# Altium PCB PCB1.PcbDoc
Units mil, origin at the board's own origin, x right, y up, seen from the top; angles counter-clockwise.
Board outline 5905.51 x 5905.51 mil, 4 copper layers (Top Layer, GND, PWR, Bottom Layer), stack 53.912 mil thick; 58 components, 46 nets, 187 pads, 45 vias.
Unrouted connection lines stored in the file: 20.
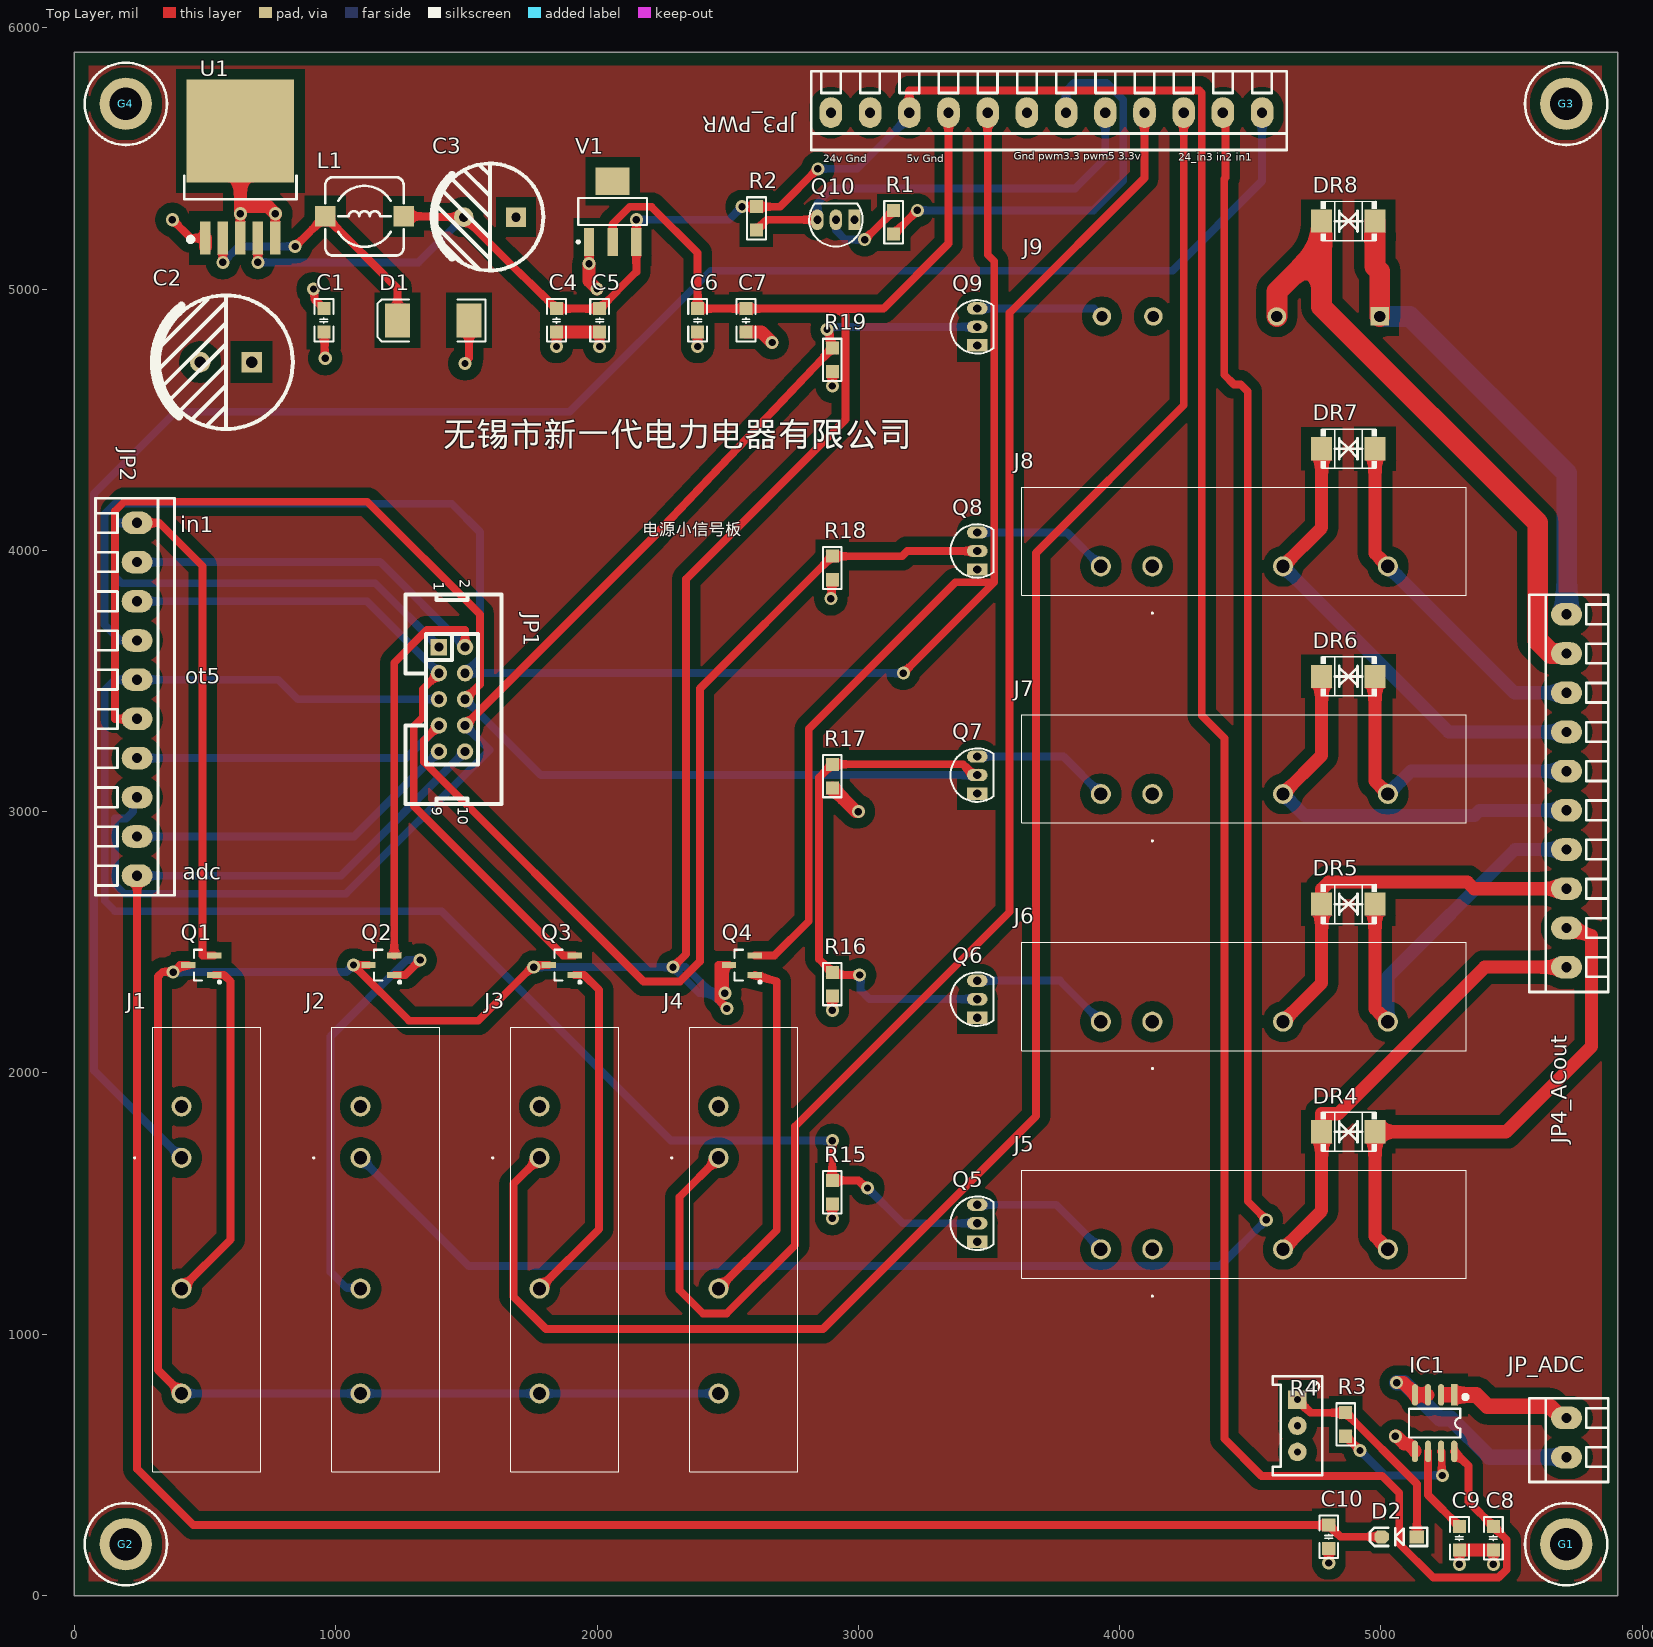
[diagram p0: Top Layer view]
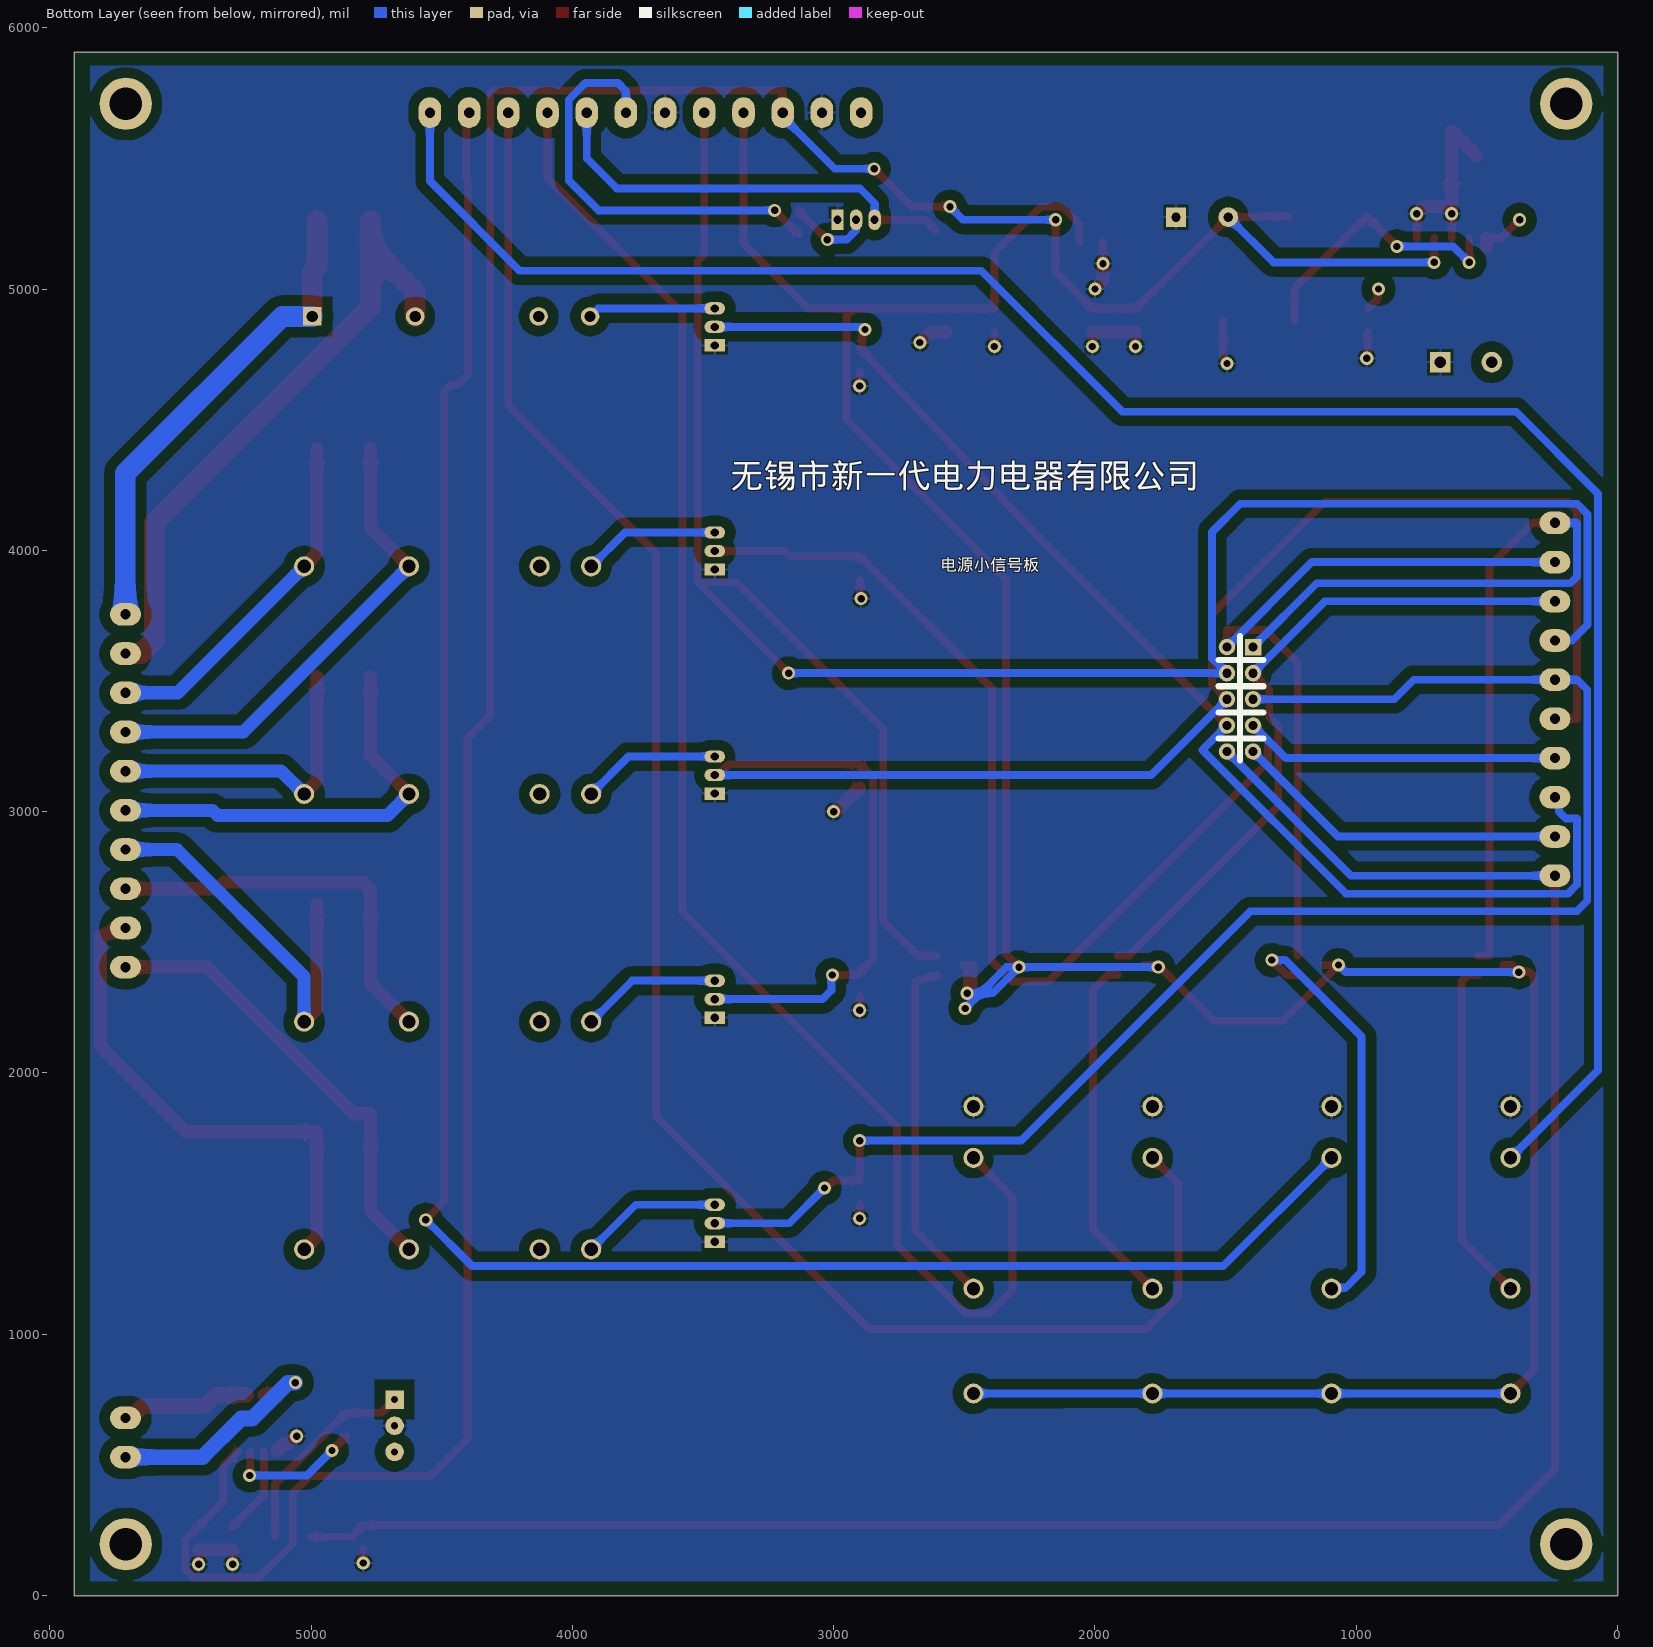
[diagram p1: Bottom Layer view, seen from below]
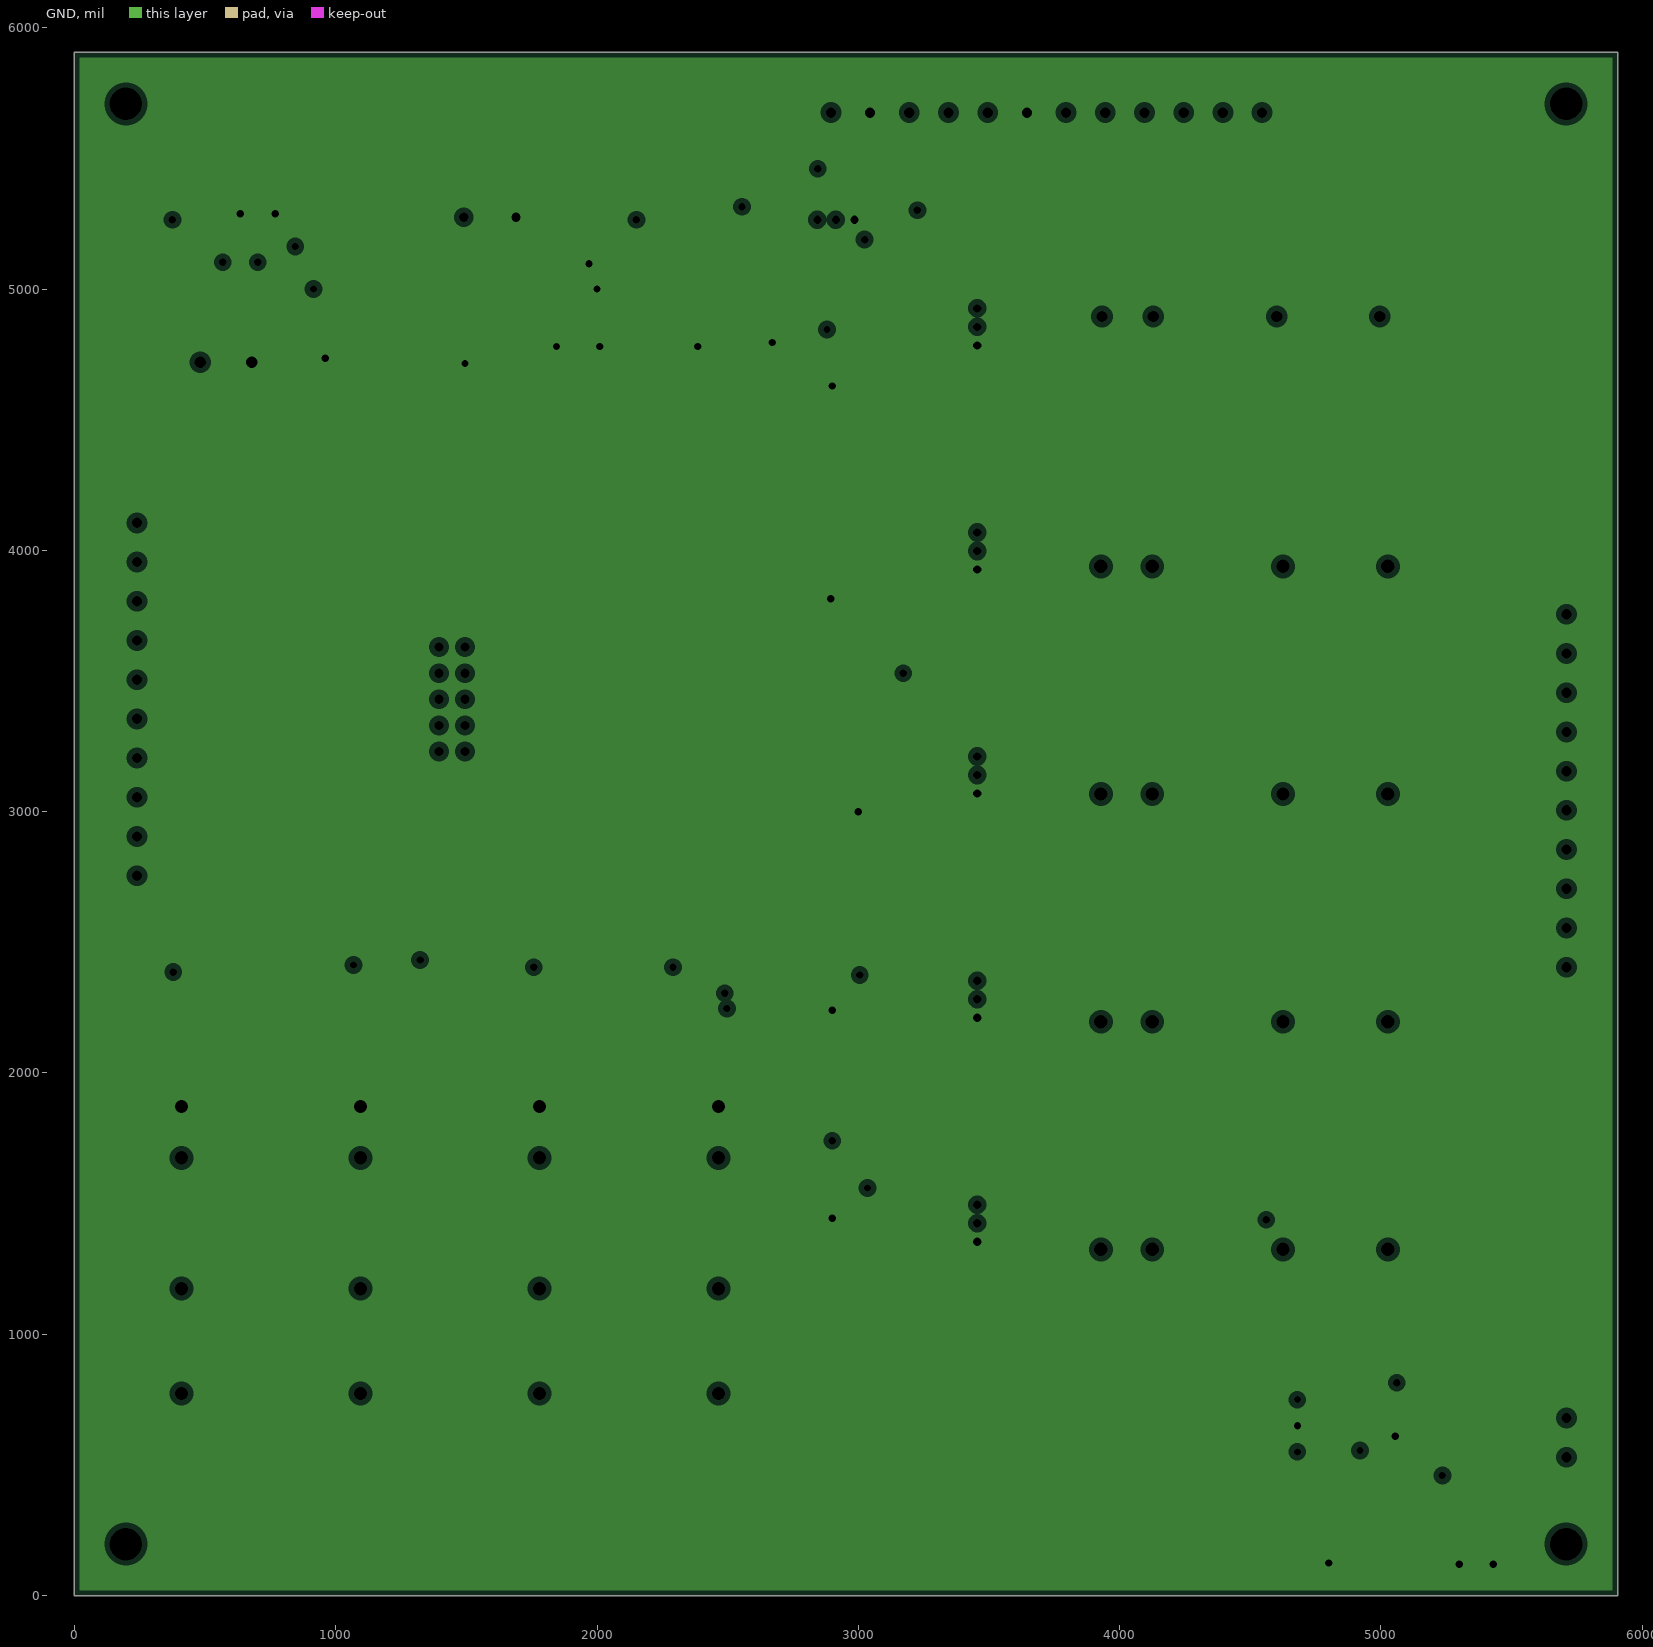
[diagram p2: GND, clearances drawn from the general rule]
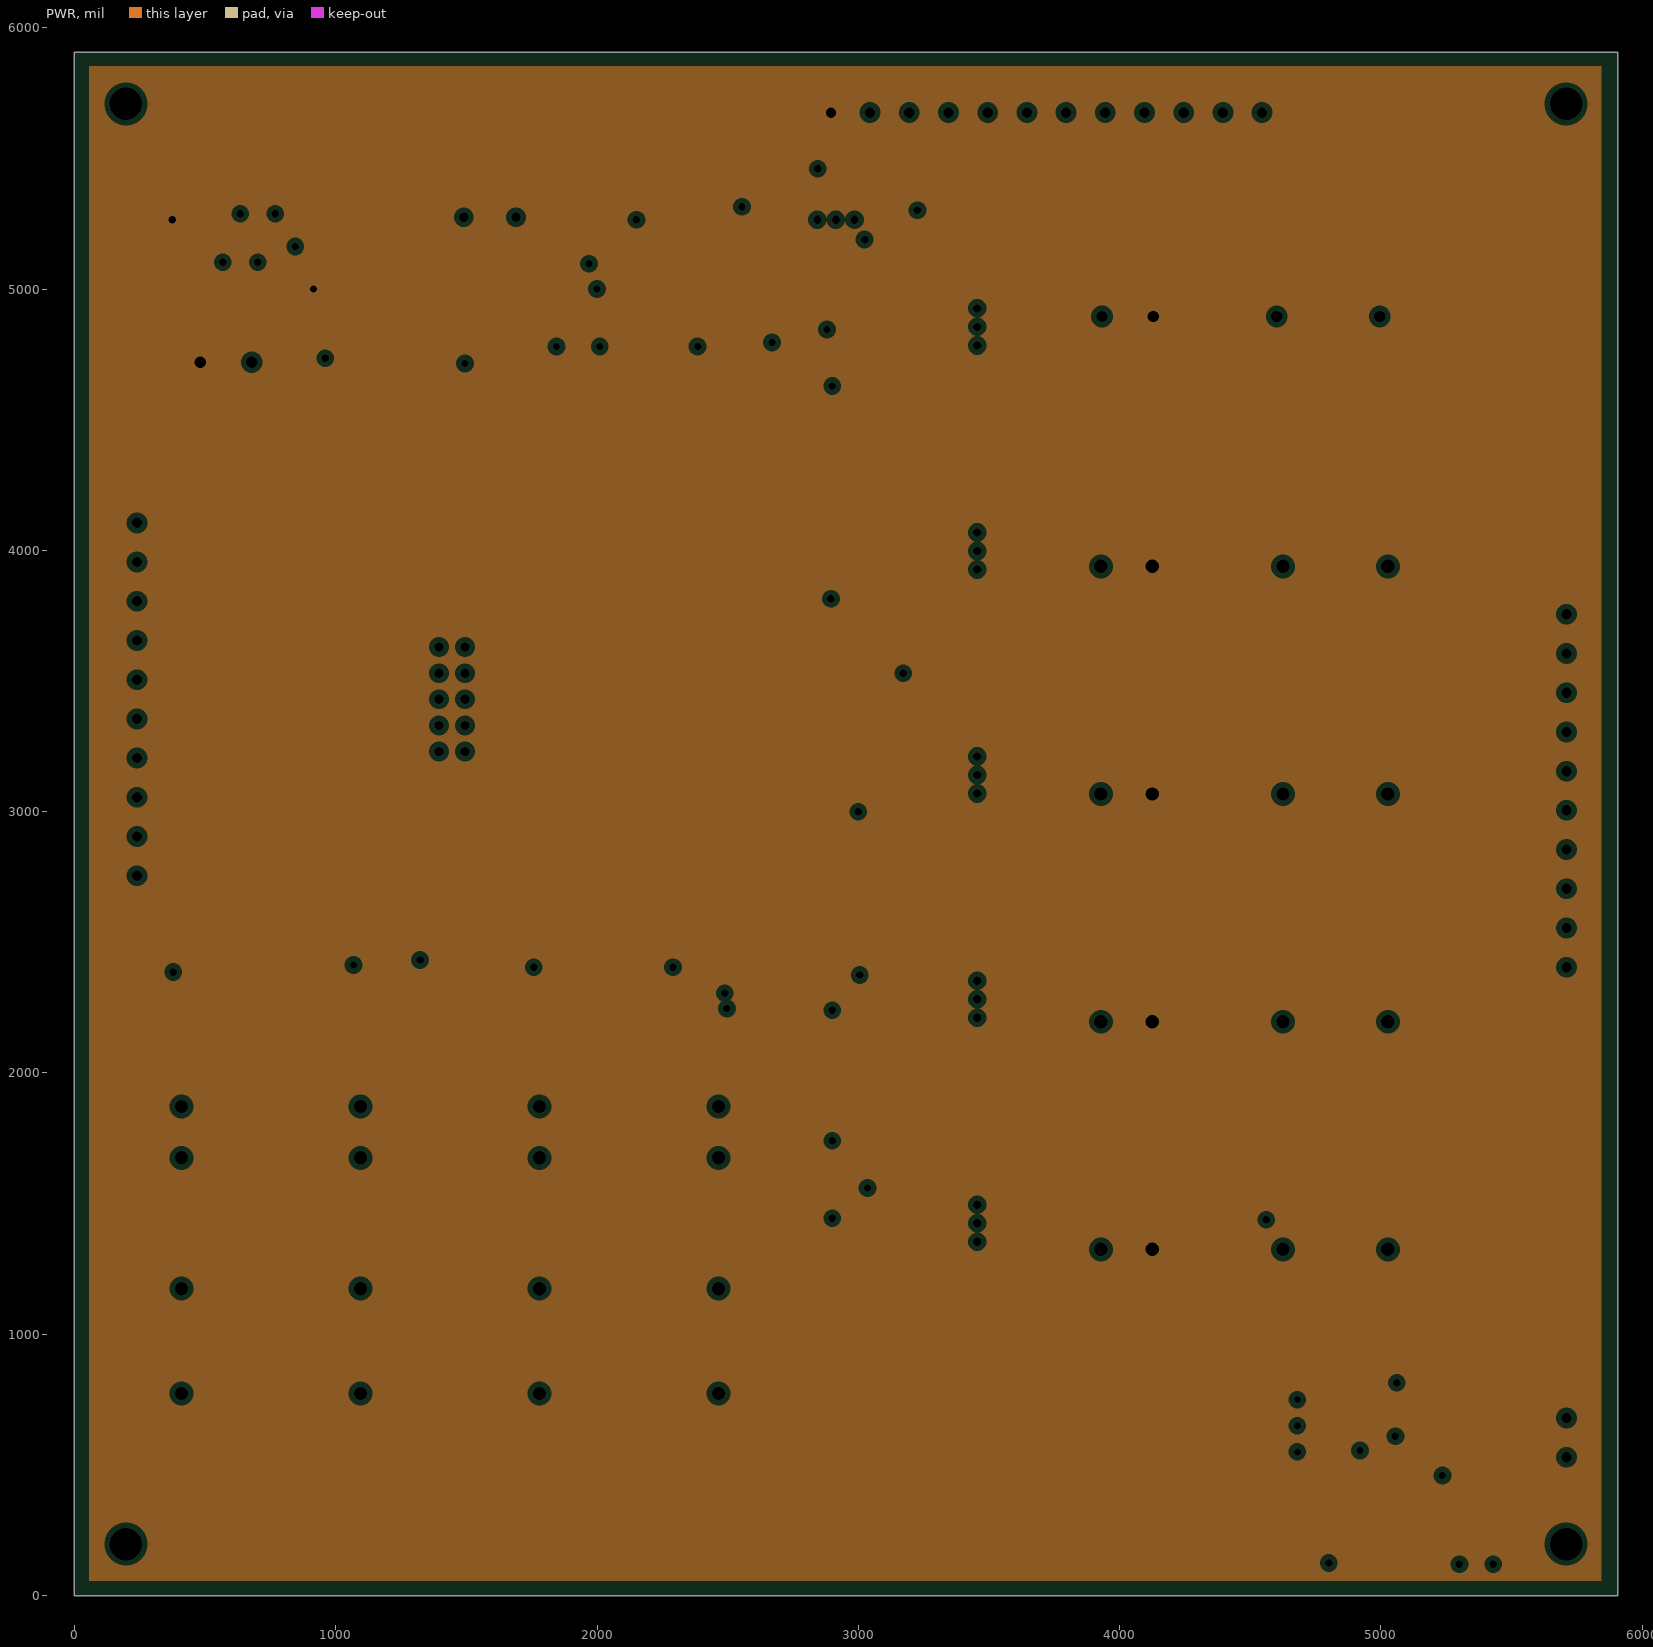
[diagram p3: PWR, clearances drawn from the general rule]

## Layer stack, top to bottom
Top Solder: solder mask 1, SM-001, Dk 4
Top Layer: signal copper 1.378
Dielectric 1: prepreg 5.1, PP-017, Dk 4.3
Dielectric 2: prepreg 5.1, PP-017, Dk 4.3
GND: plane copper 1.378, net GND
Dielectric 3: core 28, Core-039, Dk 4.8
PWR: plane copper 1.378, net 24V
Dielectric 4: prepreg 5.1, PP-017, Dk 4.3
Dielectric 5: prepreg 5.1, PP-017, Dk 4.3
Bottom Layer: signal copper 1.378
Bottom Solder: solder mask 1, SM-001, Dk 4

## Board outline
0,0 0,5905.51 5905.51,5905.51 5905.51,0

## Design rules (kind name [scope] priority, off if disabled: settings)
Clearance Clearance_Polygon [InPolygon] p1: gap=40 ignorepadtopadclearanceinfootprint=FALSE
Clearance [All] p2: gap=10 ignorepadtopadclearanceinfootprint=FALSE except(0: Arc-Hole Track-Hole SMDPad-Hole THPad-Hole Via-Hole Fill-Hole Poly-Hole Region-Hole Text-Hole)
Height [All] p1: minheight=0 maxheight=3149.61 prefheight=500
PlaneClearance [All] p1: clearance=20
PlaneConnect [All] p1: planeconnectstyle=Relief reliefexpansion=20 reliefentries=4 reliefconductorwidth=10 reliefairgap=10
PolygonConnect [All] p1: connectstyle=Relief reliefconductorwidth=10 reliefentries=4 polygonreliefangle="90 Angle" airgapwidth=10
RoutingVias [All] p1: holewidth=28 width=50 viastyle="Through Hole" minholewidth=28 minwidth=50 maxholewidth=28 maxwidth=50
SolderMaskExpansion [All] p1: expansion=4 istentingtop=FALSE
Width [All] p1: maxlimit=90 minlimit=25 preferedwidth=50 minimp=50.000000 maximp=50.000000 favimp=50.000000
27 further rules are at their usual default settings.

## Components (designator, comment, footprint, x,y, rotation, side; value= is the part's Value field where it differs from the comment)
C1 "0.1uF" "C 0805_M" 955,4880 r90 top
C2 "680uf" "CAP 5.0*12.5*20" 580,4720 r180 top
C3 "220uF" "CAP 5.0*10*16" 1590,5275 r180 top
C4 "0.1uF" "C 0805_M" 1845,4880 r90 top
C5 "10uF" "C 0805_M" 2010,4880 r90 top
C6 "10uF" "C 0805_M" 2385,4880 r90 top
C7 "0.1uF" "C 0805_M" 2570,4880 r90 top
C8 "0.1uF" "C 0805_M" 5430,220 r90 top
C9 "1nF" "C 0805_M" 5300,220 r90 top
C10 "0.1uF" "C 0805_M" 4800,225 r90 top
D1 "SS54" SMC 1373.19,4879.84 r180 top
D2 "Diode 1N4148" SOD-123 5070,225 r180 top
DR4 "1.5KE300CA" SMB_L4.6-W3.6-LS5.3-BI 4875,1775 r0 top
DR5 "1.5KE300CA" SMB_L4.6-W3.6-LS5.3-BI 4875,2646.25 r0 top
DR6 "1.5KE300CA" SMB_L4.6-W3.6-LS5.3-BI 4875,3517.5 r0 top
DR7 "1.5KE300CA" SMB_L4.6-W3.6-LS5.3-BI 4875,4388.75 r0 top
DR8 "1.5KE300CA" SMB_L4.6-W3.6-LS5.3-BI 4875,5260 r0 top
G1 "Socket" M3x6_L 5708.66,196.85 r0 top
G2 "Socket" M3x6_L 196.85,196.85 r0 top
G3 "Socket" M3x6_L 5708.66,5708.66 r0 top
G4 "Socket" M3x6_L 196.85,5708.66 r0 top
IC1 "ACS712" SOP8_M 5205,660 r270 top
J1 "ssr_dcdc" 2982647 410,1675 r90 top
J2 "ssr_dcdc" 2982647 1095,1675 r90 top
J3 "ssr_dcdc" 2982647 1780,1675 r90 top
J4 "ssr_dcdc" SSR_DCDC 2465,1675 r90 top
J5 "ssr_dcac" SSR_DCAC 4125,1325 r180 top
J6 "ssr_dcac" SSR_DCAC 4125,2196.25 r180 top
J7 "ssr_dcac" SSR_DCAC 4125,3067.5 r180 top
J8 "ssr_dcac" SSR_DCAC 4125,3938.75 r180 top
J9 "ssr_dcac5A" PMN5A/PMN5D 4463.58,4895 r270 top
JP1 "Header 5X2" IDC2.54-LI-2x5P 1395,3630 r270 top
JP2 "HDR-1X10" KF128-3.81-10P 240,3430 r270 top
JP3_PWR "HDR-1X12" KF128-3.81-12P 3720,5675 r180 top
JP4_ACout "HDR-1X10" KF128-3.81-10P 5710,3080 r90 top
JP_ADC "HDR-1X2" KF128-3.81-2P 5710,605 r90 top
L1 "33uH" CDRH74 1110,5278.01 r0 top
Q1 "SI2304" SOT23-3M 535,2412.6 r90 top
Q2 "SI2304" SOT23-3M 1224.66,2412.6 r90 top
Q3 "SI2304" SOT23-3M 1914.32,2412.6 r90 top
Q4 "SI2304" SOT23-3M 2603.97,2412.6 r90 top
Q5 "SS8050" TO92A 3455,1425 r0 top
Q6 "SS8050" TO92A 3455,2282.5 r0 top
Q7 "SS8050" TO92A 3455,3140 r0 top
Q8 "SS8050" TO92A 3455,3997.5 r0 top
Q9 "SS8050" TO92A 3455,4855 r0 top
Q10 "SS8050" TO92A 2914.13,5265 r90 top
R1 "1K" "R 0805_M" 3135,5255 r90 top
R2 "2K" "R 0805_M" 2610,5270 r90 top
R3 "2K" "R 0805_M" 4865,655 r90 top
R4 "3296W-10K" 3296W 4680,650 r270 top
R15 "10K" "R 0805_M" 2900.32,1543.75 r270 top
R16 "10K" "R 0805_M" 2900.32,2340 r270 top
R17 "10K" "R 0805_M" 2900.32,3136.25 r270 top
R18 "10K" "R 0805_M" 2900.32,3932.5 r270 top
R19 "10K" "R 0805_M" 2900.32,4728.75 r270 top
U1 "LM2596S-5.0/NOPB" TO263-5A 635,5195 r0 top
V1 "AMS1117-3V3" SOT223_M 2060,5296.3 r90 top

## Footprints (in the part's own frame and the unit in brackets; to place one, negate y for a bottom-side part, rotate by r counter-clockwise, add the part's x,y. Pads: shape width x height; smd on the part's side, far side on the other; paste and mask are expansions set on the pad)
3296W [mm] "Precise Multi-Winding Adjustable Resistor"
  rect 1.8x1.8 hole 0.7: 1(-2.54,0)
  round 1.8 hole 0.7: 2(0,0) 3(2.54,0)
  silkscreen extent -4.8,-2.4 4.8,2.4, body extent -4.75,-2.4 4.75,2.4, height 11.52
2982647 [mm]
  round 1.95 hole 1.3: 1(-22.9,0) 2(-12.7,0) 3(0,0) 4(5,0)
  silkscreen extent -30.5,-7.7 12.7,4.6, body extent -30.5,-7.7 12.7,2.8, height 25.5
"C 0805_M" [mil] "无极性贴片电容"
  rect 50x50 smd: 1(-45,0) 2(45,0)
  silkscreen extent -81,-36 81,36, body extent -39,-24 39,24, height 20
"CAP 5.0*10*16" [mm] "脚距5mm直径10mm高度16mm"
  rect 1.9x1.9 hole 0.9: 1(-2.54,0)
  round 1.9 hole 0.9: 2(2.54,0)
  silkscreen extent -5.19,-5.21 5.5,5.19, body extent -5,-5 5.01,5, height 16.04
"CAP 5.0*12.5*20" [mm] "脚距5mm直径12.5mm高度20mm"
  rect 2x2 hole 1.1: 1(-2.5,0)
  round 2 hole 1.1: 2(2.5,0)
  silkscreen extent -6.5,-6.5 6.99,6.5, body extent -6.25,-6.25 6.26,6.25, height 20.03
CDRH74 [mm] "7.3*7.3*4.5mm（长宽高）"
  rect 2x2 smd: 1(-3.81,0) 2(3.81,0)
  silkscreen extent -3.81,-3.81 3.81,3.81, body extent -3.65,-3.65 3.65,3.65, height 4.5
IDC2.54-LI-2x5P [mm] "10P简易牛角座"
  rect 1.6x1.6 hole 0.9: 1(0,0)
  round 1.6 hole 0.9: 2(0,2.54) 3(2.54,0) 4(2.54,2.54) 5(5.08,0) 6(5.08,2.54) 7(7.62,0) 8(7.62,2.54) 9(10.16,0) 10(10.16,2.54)
  silkscreen extent -5.11,-3.23 15.27,6.1, body extent -5.08,-3.08 15.24,5.77, height 9.17
KF128-3.81-2P [mm] "螺钉式接线端子，脚距3.81mm"
  oval 2.2x3 hole 1: 1(-1.905,0) 2(1.905,0)
  silkscreen extent -4.32,-4.04 3.81,3.63, body extent -4.31,-3.9 3.81,3.5, height 8.55
KF128-3.81-10P [mm] "螺钉式接线端子，脚距3.81mm"
  oval 2.2x3 hole 1: 1(-17.145,0) 2(-13.335,0) 3(-9.525,0) 4(-5.715,0) 5(-1.905,0) 6(1.905,0) 7(5.715,0) 8(9.525,0) 9(13.335,0) 10(17.145,0)
  silkscreen extent -19.56,-4.04 19.05,3.63, body extent -19.55,-3.9 19.05,3.5, height 8.55
KF128-3.81-12P [mm] "螺钉式接线端子，脚距3.81mm"
  oval 2.2x3 hole 1: 1(-20.955,0) 2(-17.145,0) 3(-13.335,0) 4(-9.525,0) 5(-5.715,0) 6(-1.905,0) 7(1.905,0) 8(5.715,0) 9(9.525,0) 10(13.335,0) 11(17.145,0) 12(20.955,0)
  silkscreen extent -23.37,-4.04 22.86,3.63, body extent -23.36,-3.9 22.86,3.5, height 8.55
M3x6_L [mil] "M3铜柱，长：6mm"
  round 200 hole 125: 1(0,0)
  silkscreen extent -157,-157 157,157, body extent -106,-93 106,93, height 238
PMN5A/PMN5D [mm]
  rect 1.8x1.8 hole 1.1: 1(0,13.5)
  round 1.8 hole 1.1: 2(0,3.5) 3(0,-8.5) 4(0,-13.5)
  body extent -5.22,-21.44 5.33,22.31, height 25.5
"R 0805_M" [mil] "1/8W贴片电阻"
  rect 50x50 smd: 1(-45,0) 2(45,0)
  silkscreen extent -81,-36 81,36, body extent -39,-25 39,25, height 20
SMB_L4.6-W3.6-LS5.3-BI [mil]
  rect 80.61x88.23 smd: 1(-102.02,0) 2(102.02,0)
  silkscreen extent -105,-75 108,75
SMC [mm] "DO-214-AB/SMC; 2 C-Bend Leads; Body 7.9 x 5.9 mm, inc. leads (LxW)"
  rect 2.4x3.3 smd: 1(-3.475,0) 2(3.475,0)
  silkscreen extent -5.07,-2.05 5.43,2.06
SOD-123 [mil] "2.7x1.6X1.1mm（长宽高，不包括引脚）"
  rect 55x50 smd: 1(-67.5,0)
  oct 55x50 smd: 2(67.5,0)
  silkscreen extent -107,-35 112,35, body extent -73,-31 73,31, height 48
SOP8_M [mm] "5*6*1.8mm（长宽高）"
  rect 2.1x0.6 smd: 1(-2.75,1.905)
  oval 2.1x0.6 smd: 2(-2.75,0.635) 3(-2.75,-0.635) 4(-2.75,-1.905) 5(2.75,-1.905) 6(2.75,-0.635) 7(2.75,0.635) 8(2.75,1.905)
  silkscreen extent -2.69,-2.5 1.4,3.15, body extent -3,-2.5 3,2.5, height 1.9
SOT23-3M [mm] "3x1.3x1mm(长宽高)"
  rect 0.6x1.4 smd: 1(-0.95,0) 2(0.95,0) 3(0,2.514)
  silkscreen extent -1.78,-0.63 1.5,1.97, body extent -1.5,0.07 1.5,2.47, height 1.05
SOT223_M [mm] "SOT223, 4-Leads, Body 6.5x3.5mm, Pitch 2.3mm, Lead Span 7mm, IPC Low Density"
  rect 2.7x1 smd: 1(-2.95,2.3) 2(-2.95,0) 3(-2.95,-2.3)
  rect 2.7x3.3 smd: 4(2.95,0)
  silkscreen extent -3.07,-3.35 1.3,3.47, body extent -1.85,-3.35 1.85,3.35, height 1.7
SSR_DCAC [mm]
  round 1.95 hole 1.3: 1(-22.9,0) 2(-12.7,0) 3(0,0) 4(5,0)
  silkscreen extent -30.5,-7.7 12.7,4.6, body extent -30.5,-7.7 12.7,2.8, height 25.5
SSR_DCDC [mm]
  round 1.95 hole 1.3: 1(-22.9,0) 2(-12.7,0) 3(0,0) 4(5,0)
  silkscreen extent -30.5,-7.7 12.7,4.6, body extent -30.5,-7.7 12.7,2.8, height 25.5
TO92A [mm] "92晶体管"
  rect 2x1.2 hole 0.8: 1(0,-1.8)
  oval 2x1.2 hole 0.8: 2(0,0) 3(0,1.8)
  silkscreen extent -2.6,-2.6 1.6,2.6, body extent -2.3,-2.3 1.3,2.3, height 7.6
TO263-5A [mm] "263，5脚晶体管"
  rect 1.05x3.2 smd: 1(-3.4,0) 2(-1.7,0) 3(0,0) 4(1.7,0) 5(3.4,0)
  rect 10.45x10 smd: 3(0,10.414)
  silkscreen extent -5.46,-0.33 5.46,6.04, body extent -5,-0.01 5,13.32, height 4.5

## Part data
C1 C4 C5 C6 C7: library part CAP-SMT
C2 C3: library part CAP-SMD, "CAP-SMD", Supplier 1="Arrow Electronics"
C8 C9 C10: library part Cap, "Capacitor", LatestRevisionDate=17-Jul-2002, LatestRevisionNote="Re-released for DXP Platform.", PackageDescription="Radial Cap, Thru-Hole; 2 Leads; 0.3 in Pin Spacing", PackageReference=RAD-0.3, Published=8-Jun-2000, Publisher="Altium Limited"
D1: library part DIO
D2: "High Conductance Fast Diode", Code_JEDEC=DO-204-AH, ComponentLink1Description="Manufacturer Link", ComponentLink1URL=http://www.fairchildsemi.com/, ComponentLink2Description=Datasheet, ComponentLink2URL=http://www.fairchildsemi.com/ds/1N%2F1N4148.pdf, DatasheetVersion=1997, LatestRevisionDate=17-Jul-2002, LatestRevisionNote="Re-released for DXP Platform.", PackageDescription="Diode, Axial; Body 3.8 x 1.9 mm (LxDia. max), Lead Dia. 0.53 mm (max)", PackageReference=DO-35, Published=8-Jun-2000, Publisher="Altium Limited"
DR4 DR5 DR6 DR7 DR8: library part DR, "瞬态电压抑制二极管", BOM名称=瞬态电压抑制二极管, 学习资源=www.ooocke.com, 版权归属=源创客
IC1: "电流检测芯片", BOM名称=电流检测芯片, 学习资源=www.ooocke.com, 版权归属=源创客
J1 J2 J3 J4 J5 J6 J7 J8: "Connector", Arrow Part Number=2982647, Manufacturer_Name="Phoenix Contact", Mouser Part Number=651-2982647, Arrow Price/Stock=https://www.arrow.com/en/products/2982647/phoenix-contact, Datasheet Link=https://componentsearchengine.com/Datasheets/1/2982647.pdf, Height=25.4mm, Manufacturer_Part_Number=2982647, Mouser Price/Stock=https://www.mouser.co.uk/ProductDetail/Phoenix-Contact/2982647?qs=Mj9TL1%2FHg907%2FKjSTtcRdw%3D%3D
J9: library part ssr_dcac, "Connector", Arrow Part Number=2982647, Manufacturer_Name="Phoenix Contact", Mouser Part Number=651-2982647, Arrow Price/Stock=https://www.arrow.com/en/products/2982647/phoenix-contact, Datasheet Link=https://componentsearchengine.com/Datasheets/1/2982647.pdf, Height=25.4mm, Manufacturer_Part_Number=2982647, Mouser Price/Stock=https://www.mouser.co.uk/ProductDetail/Phoenix-Contact/2982647?qs=Mj9TL1%2FHg907%2FKjSTtcRdw%3D%3D
JP1: "5*2P接插件", BOM名称=5*2P接插件, 学习资源=www.ooocke.com, 版权归属=源创客
JP2 JP4_ACout: library part "Header 10", "10P接插件", BOM名称=10P接插件, 学习资源=www.ooocke.com, 版权归属=源创客
JP3_PWR: library part "Header 12", "12P接插件", BOM名称=12P接插件, 学习资源=www.ooocke.com, 版权归属=源创客
JP_ADC: library part "Header 2", "2P接插件", BOM名称=2P接插件, 学习资源=www.ooocke.com, 版权归属=源创客
L1: library part L-CDRH74
Q1 Q2 Q3 Q4: library part SI2302, "N沟道场效应管", BOM名称=N沟道场效应管, 学习资源=www.ooocke.com, 版权归属=源创客
Q5 Q6 Q7 Q8 Q9 Q10: library part 8050-DIP, "高频放大-NPN型", BOM名称=高频放大-NPN型, 学习资源=www.ooocke.com, 属性="40V 1.5A 1W 100MHZ", 版权归属=源创客
R1 R2 R3 R15 R16 R17 R18 R19: library part Res1, "Resistor", LatestRevisionDate=17-Jul-2002, LatestRevisionNote="Re-released for DXP Platform.", PackageDescription="Axial Device, Thru-Hole; 2 Leads; 0.3 in Pin Spacing", PackageReference=AXIAL-0.3, Published=8-Jun-2000, Publisher="Altium Limited"
R4: library part 3296W-1-100LF, "Resistor", Manufacturer_Name=Bourns, Mouser Part Number=652-3296W-1-100LF, Arrow Part Number=3296W-1-100LF, Arrow Price/Stock=https://www.arrow.com/en/products/3296w-1-100lf/bourns, Datasheet Link=http://uk.rs-online.com/web/p/products/5219619, Manufacturer_Part_Number=3296W-1-100LF, Mouser Price/Stock=https://www.mouser.co.uk/ProductDetail/Bourns/3296W-1-100LF?qs=QXsCy0sQn1AEVjRqsT9BNA%3D%3D
U1: library part LM2596S-5.0, "SIMPLE SWITCHER® Power Converter 150 KHz 3A Step-Down Voltage Regulator, 5-pin TO-263, Pb-Free", Manufacturer="Texas Instruments", PackageTopMarking="NSUZXYTTE#*LM2596S*-5.0 P+", PowerWise=N, Code_JEDEC=MO-169-AB, ComponentLink1Description="Datasheet URL", ComponentLink1URL=http://www.ti.com/general/docs/lit/getliterature.tsp?genericPartNumber=LM2596&fileType=pdf, CompType=Switcher, PackageDescription="TO-263, Molded, .400 x .390 x .180in, 5 Lead, .067in Pitch, Surface Mount", PackageReference=KTT0005B, PinCount=5, RoHS=Y
V1: library part AMS1117, "三端稳压芯片", BOM名称=稳压芯片, 学习资源=www.ooocke.com, 版权归属=源创客
G1 G2 G3 G4: LatestRevisionDate=17-Jul-2002, LatestRevisionNote="Re-released for DXP Platform.", Publisher="Altium Limited"

## Via types
v1: diameter 50, hole 28, Top Layer to Bottom Layer, 45 vias

## Nets (pads, with @x,y where several pads share a name; then routed paths per layer and width w, separated by ;. In a path a pad name is that pad's centre, name@x,y a point inside that pad or via, vN(x,y) a via of type N, cw(c..) or ccw(c..) an arc to the next point about the centre after c; other vN are vias at no path point)
3.3V: C6.2 C7.2 J1.1 J2.1 J3.1 J4.1 JP3_PWR.9 Q1.3 Q2.3 Q3.3 Q4.3 V1.2 | length 12009
  Top Layer w30: v1@375.2,2392.59 369.7,2387.09 337.92,2387.09 320,2369.17 320,863.43 J1.1 ; v1(378,2386) v1@391.5,2399.5 ; v1(1068,2413) v1@1068.4,2412.6 ; Q2.3 v1@1068.4,2412.6 ; v1(1758,2405) v1@1765.6,2412.6 ; Q3.3 v1@1765.6,2412.6 ; V1.2 2060,5250 2125,5315 2208,5315 2385,5138 C6.2 C7.2 2925,4925 ; v1(2291,2405) 2341,2455 2341,3890 2951,4500 2951,4899 2925,4925 ; v1(2489.13,2305) Q4.3@2489.13,2412.6 ; v1(2497,2247) 2464.3,2279.7 2464.3,2412.6 Q4.3@2489.13,2412.6 ; Q4.3 Q4.3@2489.13,2412.6 ; JP3_PWR.9 3345,5174.01 3095.99,4925 2925,4925 ; v1@391.5,2399.5 404.6,2412.6 Q1.3 v1@391.5,2399.5 ; v1@1068.4,2412.6 1281,2200 1545.8,2200 1758.4,2412.6 v1@1765.6,2412.6
  Bottom Layer w30: v1(378,2386) 1041,2386 v1(1068,2413) ; J1.1 J2.1 J3.1 2122,773.43 ; v1(1758,2405) v1(2291,2405) ; 2122,773.43 J4.1 ; v1(2489.13,2305) 2439,2305 ; v1(2497,2247) 2439,2305 ; v1(2291,2405) 2339,2405 2439,2305 ; v1(2291,2405) 2391,2305 2439,2305
5V: C3.2 C4.2 C5.2 C8.2 IC1.8 JP3_PWR.10 L1.2 R2.2 U1.4 V1.3 | length 11825.4
  Top Layer w30: U1.4 701.93,5102.07 v1(702,5102) ; L1.2 1373,5278.01 1376,5275 C3.2 1677.99,5087.01 C4.2 C5.2 2150.55,5065.55 V1.3 v1(2150.55,5265) ; v1(2554.99,5315) 2700,5315 v1(2845,5460) ; JP3_PWR.10 3195,5760.01 4305,5760.01 4314,5751 4314,3368 4401,3281 4401,600 4543,458 5005,458 5070,393 5070,199 5200,69 5450,69 5481,100 5481,214 C8.2 5335,360 5335,496.73 IC1.8
  Bottom Layer w30: v1(702,5102) 1317,5102 C3.2 ; v1(2150.55,5265) 2505,5265 v1(2554.99,5315) ; v1(2845,5460) 2995.75,5460 3195,5659.25 JP3_PWR.10
24V: C1.2 C2.2 J5.3 J6.3 J7.3 J8.3 J9.3 JP3_PWR.12 U1.1 | length 280.4
  Top Layer w30: v1(375,5265) 445,5195 U1.1 ; v1(915,5000) 918.83,4996.17 918.83,4961.17 C1.2
  Top Layer w50: U1.1@501.14,5161.34 U1.1
24V_in1: J1.3 JP3_PWR.1 | length 7908
  Bottom Layer w30: J1.3 75,2010.01 75,4216.75 388.26,4530 1895,4530 2435,5070 4202,5070 4545,5413 JP3_PWR.1
24V_in2: J2.3 JP3_PWR.2 | length 8035.7
  Top Layer w30: JP3_PWR.2 4405,5665 4405,5426.06 4400.19,5421.26 4400.19,4671.89 4437.32,4634.76 4463.24,4634.76 4490,4608 4490,1509 v1(4561,1438)
  Bottom Layer w30: J2.3 1509,1261 4384,1261 v1(4561,1438)
24V_in3: J3.3 JP3_PWR.3 | length 7034.8
  Top Layer w30: J3.3 1680,1575 1680,1145 1805,1020 2864.99,1020 3680,1835 3680,3990 4245,4555.01 JP3_PWR.3
24V_in4: J4.3 JP3_PWR.4 | length 6043
  Top Layer w30: J4.3 2315,1525 2315,1170 2405,1080 2496.38,1080 2758,1341.62 2758,1796 3579,2617 3579,4909 4095,5425.01 JP3_PWR.4
AC_out1: DR4.1 J5.2 JP4_ACout.1 | length 1749.7
  Top Layer w50: J5.2 4772.98,1472.98 DR4.1 4772.98,1844 4836,1844 5397,2405 JP4_ACout.1
AC_out1x: DR4.2 J5.1 JP4_ACout.2 | length 1957.2
  Top Layer w50: J5.1 4977.02,1374.55 DR4.2 5478.99,1775 5805,2101 5805,2525 JP4_ACout.2
AC_out2: DR5.1 J6.2 JP4_ACout.3 | length 1526.6
  Top Layer w50: J6.2 4772.98,2344.23 DR5.1 4772.98,2702.99 4800,2730 5331,2730 5356,2705 JP4_ACout.3
AC_out2x: DR5.2 J6.1 JP4_ACout.4 | length 1527.8
  Top Layer w50: DR5.2 4977.02,2245.8 J6.1
  Bottom Layer w50: J6.1 5026.57,2368.57 5513,2855 JP4_ACout.4
AC_out3: DR6.1 J7.2 JP4_ACout.5 | length 1637.9
  Top Layer w50: J7.2 4772.98,3215.49 DR6.1
  Bottom Layer w50: J7.2 4706.49,2986 5358,2986 5376.99,3005 JP4_ACout.5
AC_out3x: DR6.2 J7.1 JP4_ACout.6 | length 1190.2
  Top Layer w50: DR6.2 4977.02,3117.05 J7.1
  Bottom Layer w50: J7.1 5114.07,3155 JP4_ACout.6
AC_out4: DR7.1 J8.2 JP4_ACout.7 | length 1858.8
  Top Layer w50: J8.2 4772.98,4086.74 DR7.1
  Bottom Layer w50: J8.2 5258.75,3305 JP4_ACout.7
AC_out4x: DR7.2 J8.1 JP4_ACout.8 | length 1354.3
  Top Layer w50: DR7.2 4977.02,3988.3 J8.1
  Bottom Layer w50: J8.1 5510.32,3455 JP4_ACout.8
AC_out5: DR8.1 J9.2 JP4_ACout.9 | length 2417
  Top Layer w80: J9.2 4601.37,4991 4772.98,5162.61 ; DR8.1 4772.98,5162.61 ; JP4_ACout.9 5650,3605 5600,3655 5600,4105 4772.98,4932.02 4772.98,5162.61
AC_out5x: DR8.2 J9.1 JP4_ACout.10 | length 1877.3
  Top Layer w80: DR8.2 4977.02,5086.06 4995.07,5068 J9.1
  Bottom Layer w80: J9.1 5110,4895 5711,4294 5711,3755 JP4_ACout.10
GND: C1.1 C2.1 C3.1 C4.1 C5.1 C6.1 C7.1 C8.1 C9.1 C10.1 D1.1 IC1.5 J1.4 J2.4 J3.4 J4.4 JP3_PWR.7 JP3_PWR.11 Q5.1 Q6.1 Q7.1 Q8.1 Q9.1 Q10.1 R4.2 R15.2 R16.2 R17.2 R18.2 R19.2 U1.3 U1.5 V1.1 | length 2441.6
  Top Layer w30: U1.3@635,5195 v1(635,5287.99) ; U1.5 v1(768.86,5287.99) ; C1.1 957.5,4832.5 957.5,4737.5 v1(960,4735) ; v1(1495,4715) 1495,4720.41 1510,4735.41 D1.1 ; v1(1845,4780) C4.1 ; v1(1969.45,5097.01) V1.1 ; v1(2010,4780) C5.1 ; v1(2385,4780) C6.1 ; v1(2895,3815) 2897.66,3817.66 2897.66,3884.84 R18.2 ; v1(2900.32,1443.75) R15.2 ; v1(2900.32,2240) R16.2 ; v1(2900.32,4628.75) R19.2 ; v1(4800,125) C10.1 ; v1(5300,120) C9.1 ; v1(5430,120) C8.1
  Top Layer w50: U1.3@539.57,5509.57 635,5605 v1(635,5287.99) ; 662.01,5315 741.85,5315 v1(768.86,5287.99) ; C4.1 C5.1 ; v1(1969.45,5097.01) 1969.45,5030.55 v1(2000,5000) ; C7.1 2630,4835 v1(2670,4795) ; R17.2 2991.56,3000 v1(3000,3000) ; v1(5055,610) 5060,610 5088.74,581.26 5103.62,581.26 5130,554.88 IC1.5 ; C9.1 C8.1
GPIO_adc10: C10.2 D2.2 JP1.10 JP2.10 | length 8591.9
  Top Layer w30: JP2.10 240,485 455,270 4745,270 C10.2 4845,225 D2.2
  Bottom Layer w30: JP2.10 1020,2755 JP1.10
GPIO_in1: JP1.1 JP2.1 Q1.2 | length 3494.8
  Top Layer w30: JP2.1 325,4105 490.74,3939.26 490.74,2450 Q1.2
  Bottom Layer w30: JP2.1 155,4105 155,3900 181,3874 1151,3874 JP1.1
GPIO_in2: JP1.2 JP2.2 Q2.2 | length 2898.1
  Top Layer w30: Q2.2 1224,2450 1224,3570 1349,3695 1495,3695 JP1.2
  Bottom Layer w30: JP2.2 1170,3955 JP1.2
GPIO_in3: JP1.3 JP2.3 Q3.2 | length 2669.9
  Top Layer w30: JP1.3 1333.09,3468.09 1333.09,3361.08 1298.5,3326.49 1298.5,3021.55 1870.06,2450 Q3.2
  Bottom Layer w30: JP2.3 1120,3805 JP1.3
GPIO_in4: JP1.4 JP2.4 JP3_PWR.8 Q4.2 | length 8549.4
  Top Layer w30: Q4.2 2679,2450 2810,2581 2810,3316 3372,3878 3520,3878 ; v1(3171.99,3530) 3520,3878 ; JP3_PWR.8 3495,5131 3520,5106 3520,3878
  Bottom Layer w30: JP2.4 175,3655 115,3715 115,4138 155,4178 1444,4178 1552,4070 1552,3587 JP1.4 v1(3171.99,3530)
GPIO_ot5: JP1.5 JP2.5 Q5.2 R15.1 | length 6072.6
  Top Layer w30: v1(2900.32,1741) R15.1 3000.84,1588.75 3029.59,1560 v1(3035,1560)
  Bottom Layer w30: JP1.5 855,3430 780,3505 JP2.5 155,3505 115.94,3465.95 115.94,2659 155.94,2619 1405,2619 2283,1741 v1(2900.32,1741) ; v1(3035,1560) 3170,1425 Q5.2
GPIO_ot6: JP1.6 JP2.6 Q6.2 Q7.2 R16.1 R17.1 | length 6938.2
  Top Layer w30: JP2.6 155,3355 155,4150 191,4186 1121,4186 1552,3755 1552,3487 JP1.6 ; v1(3005,2375) 2910.32,2375 2850,2435.32 2850,3130.93 R17.1 3400.1,3181.25 3441.35,3140 Q7.2
  Bottom Layer w30: JP1.6 1785,3140 Q7.2 ; v1(3005,2375) 3008.83,2371.17 3008.83,2316.17 3042.5,2282.5 Q6.2
GPIO_ot7: JP1.7 JP2.7 Q8.2 R18.1 | length 5129
  Top Layer w30: JP1.7 1338.5,3273.5 1338.5,3189.5 2178,2350 2317,2350 2394,2427 2394,3471.18 R18.1 3167,3977.5 3187,3997.5 Q8.2
  Bottom Layer w30: JP2.7 1270,3205 JP1.7
GPIO_ot8: JP1.8 JP2.8 Q9.2 R19.1 | length 4885
  Top Layer w30: JP1.8 2216,4051 R19.1 2890.32,4783.75 2890.32,4829.27 2880,4839.59 v1(2880,4845)
  Bottom Layer w30: JP2.8 224,3055 224,3000 197.3,2973.31 155.94,2973.31 155.94,2720.06 190,2686 1038.99,2686 1588.99,3236.01 JP1.8 ; v1(2880,4845) 2885.41,4845 2895.41,4855 Q9.2
GPIO_ot9: JP1.9 JP2.9 | length 1289.6
  Bottom Layer w30: JP2.9 1070,2905 JP1.9
NetC9_2: C9.2 IC1.6 | length 336.4
  Top Layer w30: IC1.6 5180,385 C9.2
NetD1_2: D1.2 L1.1 U1.2 | length 1070.6
  Top Layer w30: v1(568,5102) 568.07,5102.08 U1.2 ; v1(845,5163) L1.1 1236.38,5001.63 D1.2
  Bottom Layer w30: v1(568,5102) 629,5163 v1(845,5163)
NetD2_1: D2.1 R3.2 R4.1 | length 793.6
  Top Layer w30: R4.1 4730,700 R3.2 5137.5,427.5 D2.1
NetIC1_1: IC1.1 IC1.2 JP_ADC.2 | length 498.4
  Top Layer w60: 5248.19,768.27 IC1.1 5280.56,767.71 5364.85,767.71 5407.56,725 5645.8,725 5690.8,680 JP_ADC.2
NetIC1_3: IC1.3 IC1.4 JP_ADC.1 | length 909.3
  Top Layer w50: v1(5060,815) 5086.42,815 5130,771.42 IC1.4 IC1.3
  Bottom Layer w60: v1(5060,815) 5088,815 5225,678 5267,678 5415,530 JP_ADC.1
NetIC1_7: IC1.7 R3.1 | length 525.9
  Top Layer w30: R3.1 v1(4920,555) ; IC1.7 5232.5,549.23 5232.5,462.5 v1(5235,460)
  Bottom Layer w30: v1(4920,555) 5015,460 v1(5235,460)
NetJ1_2: J1.2 Q1.1 | length 1326.3
  Top Layer w30: J1.2 598,1363 598,2350 572.81,2375.2 Q1.1
NetJ2_2: J2.2 Q2.1 | length 1628.3
  Top Layer w30: Q2.1 1266.19,2375.2 v1(1323,2432)
  Bottom Layer w30: J2.2 1091.64,1178.36 1040.44,1178.36 980,1238.8 980,2139.8 1272.21,2432 v1(1323,2432)
NetJ3_2: J3.2 Q3.1 | length 1354.3
  Top Layer w30: J3.2 2008,1403 2008,2317.2 1950,2375.2 Q3.1
NetJ4_2: J4.2 Q4.1 | length 1355.1
  Top Layer w30: J4.2 2688,1398 2688,2350 Q4.1
NetJ5_4: J5.4 Q5.3 | length 543.9
  Bottom Layer w30: Q5.3 3757.28,1495.87 J5.4
NetJ6_4: J6.4 Q6.3 | length 538.2
  Bottom Layer w30: Q6.3 3771.03,2353.37 J6.4
NetJ7_4: J7.4 Q7.3 | length 532.5
  Bottom Layer w30: Q7.3 3784.78,3210.87 J7.4
NetJ8_4: J8.4 Q8.3 | length 526.8
  Bottom Layer w30: Q8.3 3798.53,4068.37 J8.4
NetJ9_4: J9.4 Q9.3 | length 489.9
  Bottom Layer w30: Q9.3 3901.22,4925.87 J9.4
NetQ10_2: Q10.2 R1.2 | length 321.8
  Top Layer w30: v1(3024,5189) R1.2
  Bottom Layer w30: Q10.2 2914.13,5224.87 2950,5189 v1(3024,5189)
pwm_speed: JP3_PWR.6 R1.1 | length 1613.9
  Top Layer w30: R1.1 v1(3226,5301)
  Bottom Layer w30: v1(3226,5301) 3900,5301 4014,5415 4014,5724 3950,5788 3825,5788 3795,5758.01 JP3_PWR.6
pwm_speed_5V: JP3_PWR.5 Q10.3 R2.1 | length 1661
  Top Layer w30: R2.1 2650,5265 Q10.3
  Bottom Layer w30: Q10.3 2843.27,5328.27 2900,5385 3830,5385 3945,5500 JP3_PWR.5
pads on no net: G1.1 G2.1 G3.1 G4.1 R4.3 V1.4

## Polygon pours and split planes (outlines as drawn)
GND on Bottom Layer "GND_L04_P001" (solid, pour order 1): 55,55 5845,55 5845,5855 55,5855
no net on Top Layer "NONET_L01_P000" (solid, pour order 0): 55,5855 55,55 5845,55 5845,5855
24V on PWR (split plane): 5845,55 55,55 55,5855 5845,5855
GND on GND (split plane): 5885.41,20.1 20.1,20.1 20.1,5885.41 5885.41,5885.41

## Other copper
PWR (plane layer: these items are gaps in the copper):
  rectangle: 0,5855 5895,5910
  rectangle: 5850,0 5905,5905
  rectangle: 0,0 55,5905
  rectangle: 10,0 5904.86,55
  rectangle: 15,50 55,5895
  rectangle: 15,5855 5895,5895
  rectangle: 5845,0 5895,5895

## Silkscreen, mask and mechanical layers (free items; w line width, h text height)
Top Overlay:
  text "Gnd pwm3.3 pwm5 3.3v" at 3595,5494.87 h29.61
  text "24_in3 in2 in1" at 4225,5489.93 h29.61
  text "24v Gnd" at 2865,5485 h29.61
  text "5v Gnd" at 3185,5485 h29.61
  text "无锡市新一代电力电器有限公司" at 1410.07,4368.53 h160
  text "in1" at 405,4070 h60
  text "电源小信号板" at 2175.04,4041.69 h80
  text "ot5" at 425,3490 h60
  text "adc" at 415,2740 h60
Bottom Overlay:
  text "无锡市新一代电力电器有限公司" at 3394.93,4208.53 h160
  text "电源小信号板" at 2589.96,3906.69 h80
Mechanical 1:
  lines w10: 0,0 5905,0 5905,5905 0,5905 0,0

## Text inside footprints (layer, text, board x,y; h text height)
JP1: Top Overlay "1" at 1375,3880 h40 r270; Top Overlay "2" at 1475,3890 h40 r270; Top Overlay "10" at 1467,3018 h40 r270; Top Overlay "9" at 1367,3018 h40 r270